# Altium PCB LimeSDR-X3_1v1.PcbDoc (part 5 of 25) (continued)
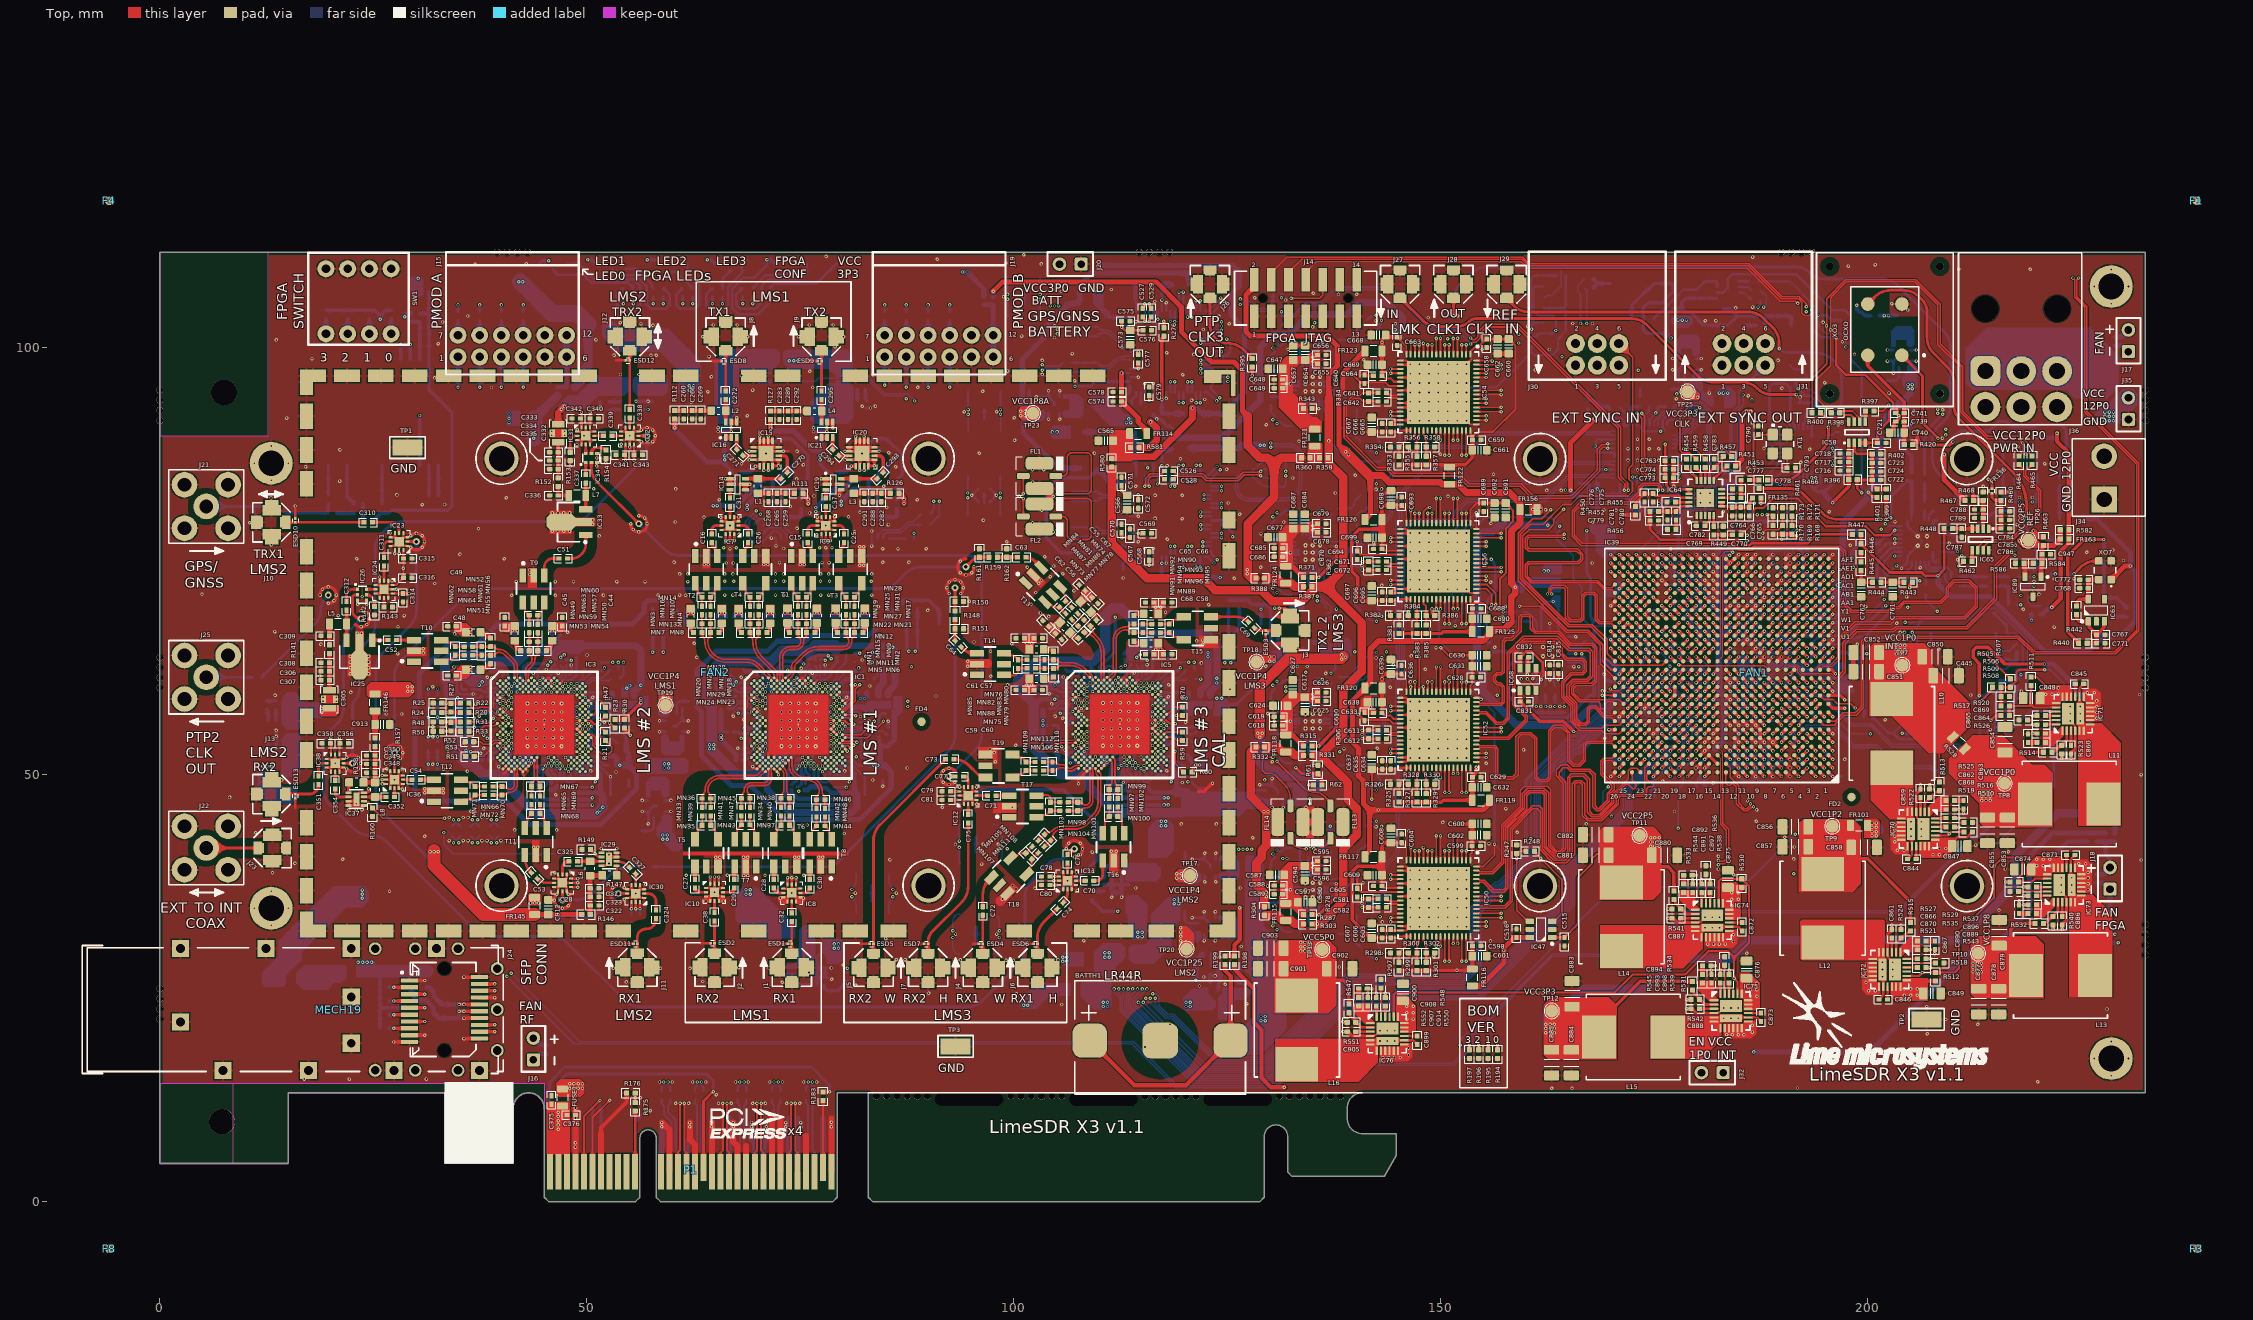
[diagram p0: Top view]
## Part data (continued)
IC80 IC81 IC82 IC83 IC84 IC85 IC86 IC87 IC88: library part AP7361, Current - Limit (Min)=1.1A, Current - Output=1A, Manufacturer="Diodes Incorporated", Manufacturer Part Number 1=AP7361-FGE-7, Operating Temperature="-40°C ~ 85°C", Package / Case="8-UDFN Exposed Pad", Supplier Device Package=U-DFN3030-8, Supplier Part Number 1=AP7361-FGE-7DICT-ND, Voltage - Dropout (Typical)="0.5V @ 1A", Voltage - Input="2.2 V ~ 6 V", Voltage - Output="0.8 V ~ 5.5 V", Category="Integrated Circuits (ICs)", Mounting Type="Surface Mount", Number of Regulators=1, Packaging="Cut Tape (CT)", Part Description="IC REG LDO ADJ 1A 8DFN", Regulator Topology="Positive Adjustable", RoHS="RoHS Compliant", Supplier 1=Digi-Key
IC89: library part VOLTAGE_REFERENCE_UNIVERSAL, Case/Package=TO-236-3, Cathode Current=1mA, Manufacturer=Diodes, Manufacturer Part Number 1=AS431ANTR-G1, Max Input Voltage=36V, Max Operating Temperature=125°C, Max Output Current=100mA, Min Operating Temperature=-40°C, Min Output Voltage=2.5V, Package Quantity=3000, Supplier Part Number 1=AS431ANTR-G1DICT-ND, Temperature Coefficient=20ppm/°C, Tolerance=0.5%, ComponentLink1Description=https://datasheet.ciiva.com/1177/1643148-1177233.pdf?src-supplier=Avnet, ComponentLink1URL=https://datasheet.ciiva.com/1177/1643148-1177233.pdf?src-supplier=Avnet, ComponentLink2Description=https://datasheet.ciiva.com/30002/as431-30002029.pdf?src-supplier=Avnet, ComponentLink2URL=https://datasheet.ciiva.com/30002/as431-30002029.pdf?src-supplier=Avnet, ComponentLink3Description=https://datasheet.ciiva.com/29572/as431-29572149.pdf?src-supplier=Digi-Key, ComponentLink3URL=https://datasheet.ciiva.com/29572/as431-29572149.pdf?src-supplier=Digi-Key, ComponentLink4Description=https://datasheet.ciiva.com/29572/as431-29572150.pdf?src-supplier=Digi-Key, ComponentLink4URL=https://datasheet.ciiva.com/29572/as431-29572150.pdf?src-supplier=Digi-Key, Max Output Voltage=36V, Mount="Surface Mount", Number of Pins=3, Output Current=100mA, Output Type=Adjustable, Output Voltage=36V, Packaging="Tape and Reel", Part Description="Shunt Voltage Reference IC Adjustable 2.5V 36 VV ±0.5% 100 mA SOT-23-3", Pricing 1="1=0,36000, 10=0,27000, 25=0,23600, 100=0,15270, 250=0,12640, 500=0,10112, 1000=0,07753 (USD)", Radiation Hardening=No, Reference Type=Shunt, RoHS=Yes, RoHS Compliant=Yes, Stock 1=792556, Supplier 1=Digi-Key
J1 J2 J3 J4 J5 J6 J7 J8 J9 J10 J11 J12 J13: library part RF_IF_connector, "CONN UMC RCPT STR 50 OHM SMD", Case/Package=908, Dielectric Material=Polymer, Frequency=6GHz, Housing Color=Black, Insulation Resistance=500MR, Manufacturer="Amphenol RF", Manufacturer Part Number 1=908-22101T, Max Operating Temperature=155°C, Min Operating Temperature=-40°C, Operating Frequency="0 to 6 GHz", Package Quantity=1, Supplier Part Number 1=ARF1725CT-ND, Body Material=Copper,Brass, Body Plating=Gold, Center Contact Plating=Gold, ComponentLink1Description=https://datasheet.ciiva.com/5177/c908-22101t-37976-5177328.pdf?src-supplier=Mouser, ComponentLink1URL=https://datasheet.ciiva.com/5177/c908-22101t-37976-5177328.pdf?src-supplier=Mouser, ComponentLink2Description=https://datasheet.ciiva.com/643/c908-22101t-643558.pdf?src-supplier=Digi-Key, ComponentLink2URL=https://datasheet.ciiva.com/643/c908-22101t-643558.pdf?src-supplier=Digi-Key, ComponentLink3Description=https://datasheet.ciiva.com/7662/1636995-7662651.pdf?src-supplier=Element14, ComponentLink3URL=https://datasheet.ciiva.com/7662/1636995-7662651.pdf?src-supplier=Element14, ComponentLink4Description=https://datasheet.ciiva.com/5689/c908-22101t-5689787.pdf?src-supplier=Farnell, ComponentLink4URL=https://datasheet.ciiva.com/5689/c908-22101t-5689787.pdf?src-supplier=Farnell, ComponentLink5Description=https://datasheet.ciiva.com/7996/691284-7996807.pdf?src-supplier=Element14, ComponentLink5URL=https://datasheet.ciiva.com/7996/691284-7996807.pdf?src-supplier=Element14, ComponentLink6Description=https://datasheet.ciiva.com/643/c908-22101t-643559.pdf?src-supplier=Digi-Key, ComponentLink6URL=https://datasheet.ciiva.com/643/c908-22101t-643559.pdf?src-supplier=Digi-Key, ComponentLink7Description=https://datasheet.ciiva.com/643/c908-22101t-643560.pdf?src-supplier=Digi-Key, ComponentLink7URL=https://datasheet.ciiva.com/643/c908-22101t-643560.pdf?src-supplier=Digi-Key, Connector Type=MMCX,Coaxial, Contact Material=Copper, Contact Plating=Gold, Depth=4.32mm, Fastening Type=SNAP-ON, Gender=Female, Impedance=50R, Insulation Material=Polymer, Length=4.32mm, Mating Cycles=500, Max Frequency=6GHz, Mount="Surface Mount,PCB", Orientation=Straight, Packaging="Tape and Reel", Part Description="MMCX Connector Jack, Female Socket 50Ohm Surface Mount Solder", Plating=Gold, Polarity=Standard, Pricing 1="1=6,18000, 10=5,60700, 25=5,31040, 50=5,18700, 100=4,94000, 250=4,32248, 500=4,19900 (USD)", Radiation Hardening=No, REACH SVHC=Unknown, RoHS=Yes, Series=MicroMate™, Stock 1=6928, Supplier 1=Digi-Key, Termination=Solder
J14: library part MOLEX_CONNECTOR_0878321420, "Male Header, Pitch 2 mm, 2 x 7 Position, Height 7.6 mm, -55 to 105 degC, RoHS", Color=Black, Current Rating=2A, Flammability Rating="UL94 V-0", Insulation Resistance=1GR, Manufacturer=Molex, Manufacturer Part Number 1=87832-1420, Max Operating Temperature=105°C, Min Operating Temperature=-55°C, Package Quantity=3200, Supplier Part Number 1=WM18641-ND, Voltage Rating=125V, ComponentLink1Description=https://datasheet.ciiva.com/5151/0878321420-pcb-headers-176595-5151942.pdf?src-supplier=Mouser, ComponentLink1URL=https://datasheet.ciiva.com/5151/0878321420-pcb-headers-176595-5151942.pdf?src-supplier=Mouser, ComponentLink2Description=https://datasheet.ciiva.com/30118/0878321420-pcb-headers-30118102.pdf?src-supplier=Onlinecomponents.com, ComponentLink2URL=https://datasheet.ciiva.com/30118/0878321420-pcb-headers-30118102.pdf?src-supplier=Onlinecomponents.com, ComponentLink3Description=https://datasheet.ciiva.com/11746/0900766b80d68d6a-11746394.pdf?src-supplier=RSComponents, ComponentLink3URL=https://datasheet.ciiva.com/11746/0900766b80d68d6a-11746394.pdf?src-supplier=RSComponents, ComponentLink4Description=https://datasheet.ciiva.com/7814/1625645-7814923.pdf?src-supplier=Element14, ComponentLink4URL=https://datasheet.ciiva.com/7814/1625645-7814923.pdf?src-supplier=Element14, ComponentLink5Description=https://datasheet.ciiva.com/27055/1934622-27055085.pdf?src-supplier=Jameco, ComponentLink5URL=https://datasheet.ciiva.com/27055/1934622-27055085.pdf?src-supplier=Jameco, ComponentLink6Description=https://datasheet.ciiva.com/1103/1739253-1103569.pdf?src-supplier=Element14, ComponentLink6URL=https://datasheet.ciiva.com/1103/1739253-1103569.pdf?src-supplier=Element14, ComponentLink7Description=https://datasheet.ciiva.com/18453/70090647-18453733.pdf?src-supplier=Allied+Electronics, ComponentLink7URL=https://datasheet.ciiva.com/18453/70090647-18453733.pdf?src-supplier=Allied+Electronics, ComponentLink8Description=https://datasheet.ciiva.com/6168/1597333-6168907.pdf?src-supplier=Farnell, ComponentLink8URL=https://datasheet.ciiva.com/6168/1597333-6168907.pdf?src-supplier=Farnell, Contact Material=Brass, Contact Plating=Gold, Gender=Male, Glow Wire Compliant=Non-compliant, Housing Color=Black, Housing Material=Thermoplastic, Lead Free="Lead Free", Mount="Surface Mount", Number of Circuits=14, Number of Contacts=14, Number of Positions=14, Number of Rows=2, Orientation=Vertical, Packaging=Rail/Tube, Part Description="Connector Header Surface Mount 14 position 0.079\" (2.00mm)", Pitch=2mm, Pricing 1="1 = 1,83000, 10 = 1,66000, 100 = 1,42280, 500 = 1,18562, 3200 = 0,94850, 6400 = 0,90108 (USD)", Radiation Hardening=No, REACH SVHC="No SVHC", RoHS=Yes, Shrouded="Yes (With)", Stock 1=62479, Supplier 1=Digi-Key, Termination=SMD/SMT, Voltage Rating (DC)=125V
J15 J19: library part PMOD_connector, "Header, 4-Pin, Dual row", Color=Black, Manufacturer="Sullins Connector Solutions", Manufacturer Part Number 1=PPPC062LJBN-RC, Supplier Part Number 1=S5559-ND, Category="Connectors, Interconnects", Connector Type=Header, Contact Finish=Gold, Contact Finish Thickness=Flash, Contact Type="Female Socket", Fastening Type=-, Features=-, Mounting Type="Through Hole, Right Angle", Number of Positions=12, Number of Positions Loaded=All, Number of Rows=2, Packaging=Bulk, Part Description="12 Position Header Connector 0.100\" (2.54mm) Through Hole, Right Angle Gold", Pitch="0.100\" (2.54mm)", RoHS="RoHS Compliant", Row Spacing="0.100\" (2.54mm)", Supplier 1=Digi-Key, Termination=Solder
J16 J17 J18 J32 J35: library part Jumper, Color=Black, Current Rating=3A, Manufacturer="Wurth Electronics", Manufacturer Part Number 1=61300211121, Max Operating Temperature=125°C, Min Operating Temperature=-40°C, Supplier Part Number 1=732-5315-ND, Voltage Rating=250V, ComponentLink1Description=https://cdn.harwin.com/pdfs/60page148.pdf, ComponentLink1URL=https://cdn.harwin.com/pdfs/60page148.pdf, ComponentLink2Description=https://www.verical.com/server-webapp/html/getDatasheet?partID=384167, ComponentLink2URL=https://www.verical.com/server-webapp/html/getDatasheet?partID=384167, ComponentLink3Description=http://www.harwin.com/include/downloads/drawings/M20-996.PDF, ComponentLink3URL=http://www.harwin.com/include/downloads/drawings/M20-996.PDF, ComponentLink4Description=https://datasheet.ciiva.com/13619/6130xx11121-48870-13619345.pdf?src-supplier=Mouser, ComponentLink4URL=https://datasheet.ciiva.com/13619/6130xx11121-48870-13619345.pdf?src-supplier=Mouser, Connector Type="Male Pin", Contact Gender=Male, Contact Material="Copper Alloy,Copper", Contact Mating Length=0.236inch, Contact Plating=Gold, Gender=Male, Housing Material=PBT, Lead Free="Lead Free", Mount="Through Hole", Number of Contacts=2, Number of Positions=2, Number of Rows=1, Packaging=Bulk, Part Description="Connector Header Through Hole 2 position 0.100\" (2.54mm)", Pitch=0.1inch, Pricing 1="1=0,13000, 10=0,10600, 25=0,08800, 50=0,07400, 100=0,06700, 1000=0,06100 (USD)", REACH SVHC=Unknown, RoHS=Yes, Stock 1=145436, Supplier 1=Digi-Key, Termination="Through Hole"
  J32: Assembly Info=NF
J20: library part Jumper, Color=Black, Manufacturer=3M, Manufacturer Part Number 1=961102-6404-AR, Supplier Part Number 1=3M9447-ND, Assembly Info=NF, Category="Connectors, Interconnects", Connector Type="Header, Unshrouded", Contact Finish=Gold, Contact Type="Male Pin", Mounting Type="Through Hole", Part Description="2 Positions Header, Unshrouded Connector 0.100\" (2.54mm) Through Hole Gold", Supplier 1=Digi-Key
J21 J22 J25: library part RF_IF_connector, "CONN SMA JACK STR 50OHM EDGE MNT", Manufacturer=Linx, Manufacturer Part Number 1=CONSMA002-L-G, Supplier Part Number 1=CONSMA002-L-G-ND, Part Description="SMA Connector Receptacle, Female Socket 50Ohm Panel Mount, Through Hole, Right Angle Solder", Pricing 1="1=4.08, 25=3.67, 100=3.32, 250=3.25, 500=3, 1000=2.80001, 2000=2.5875 (USD)", Stock 1=815, Supplier 1=Digi-Key
J23 J26 J27 J28 J29: library part RF_IF_connector, "CONN UMC RCPT STR 50 OHM SMD", Dielectric Material="Liquid Crystal Polymer (LCP)", Frequency - Max=6GHz, Housing Color=Silver, Manufacturer="Molex, LLC", Manufacturer Part Number 1=0734120110, Operating Temperature="-40°C ~ 90°C", Supplier Part Number 1=WM5587CT-ND, Voltage Rating=60V, Body Finish=Nickel, Body Material="Phosphor Bronze", Cable Group=-, Category="Connectors, Interconnects", Center Contact Material=Brass, Center Contact Plating=Gold, Connector Style="Ultra Miniature Coaxial", Connector Type="Jack, Male Pin", Contact Termination=Solder, Fastening Type=Snap-On, Features=-, Impedance="50 Ohm", Ingress Protection=-, Mounting Type="Surface Mount", Packaging="Cut Tape (CT)", Part Description="CONN UMC RCPT STR 50 OHM SMD", RoHS="RoHS Compliant", Shield Termination=Solder, Supplier 1=Digi-Key
J24: library part SFPx1_Connector, Color=Black, Flammability Rating="UL94 V-0", Manufacturer="TE Connectivity", Max Operating Temperature=85°C, Max Voltage Rating (AC)=120V, Min Operating Temperature=-55°C, Package Quantity=480, Supplier Part Number 1=A97430CT-ND, ComponentLink1Description=https://datasheet.ciiva.com/689/eng-cd-1367073-k-689473.pdf?src-supplier=Digi-Key, ComponentLink1URL=https://datasheet.ciiva.com/689/eng-cd-1367073-k-689473.pdf?src-supplier=Digi-Key, ComponentLink2Description=https://datasheet.ciiva.com/26824/getdatasheetpartid-111150-26824248.pdf?src-supplier=Verical, ComponentLink2URL=https://datasheet.ciiva.com/26824/getdatasheetpartid-111150-26824248.pdf?src-supplier=Verical, ComponentLink3Description=https://datasheet.ciiva.com/16314/eng-cs-1773408-1-pluggable-ixo-solutions-sfp-0409-16314846.pdf?src-supplier=Future+Electronics, ComponentLink3URL=https://datasheet.ciiva.com/16314/eng-cs-1773408-1-pluggable-ixo-solutions-sfp-0409-16314846.pdf?src-supplier=Future+Electronics, ComponentLink4Description=https://datasheet.ciiva.com/14159/1367073-eng-tds-14159446.pdf?src-supplier=Distrelec, ComponentLink4URL=https://datasheet.ciiva.com/14159/1367073-eng-tds-14159446.pdf?src-supplier=Distrelec, ComponentLink5Description=https://datasheet.ciiva.com/11757/0900766b80db5732-11757313.pdf?src-supplier=RSComponents, ComponentLink5URL=https://datasheet.ciiva.com/11757/0900766b80db5732-11757313.pdf?src-supplier=RSComponents, ComponentLink6Description=https://datasheet.ciiva.com/1099/1509426-1099442.pdf?src-supplier=Newark, ComponentLink6URL=https://datasheet.ciiva.com/1099/1509426-1099442.pdf?src-supplier=Newark, ComponentLink7Description=https://datasheet.ciiva.com/689/eng-cd-1367073-k-689475.pdf?src-supplier=Digi-Key, ComponentLink7URL=https://datasheet.ciiva.com/689/eng-cd-1367073-k-689475.pdf?src-supplier=Digi-Key, ComponentLink8Description=https://datasheet.ciiva.com/1098/1650946-1098067.pdf?src-supplier=Element14, ComponentLink8URL=https://datasheet.ciiva.com/1098/1650946-1098067.pdf?src-supplier=Element14, ComponentLink9Description=https://datasheet.ciiva.com/3138/eng-cs-1773408-1-pluggable-ixo-solutions-sfp-0409-3138613.pdf?src-supplier=Avnet, ComponentLink9URL=https://datasheet.ciiva.com/3138/eng-cs-1773408-1-pluggable-ixo-solutions-sfp-0409-3138613.pdf?src-supplier=Avnet, ComponentLink10Description=https://datasheet.ciiva.com/3138/eng-cs-1773408-1-pluggable-ixo-solutions-sfp-0409-3138614.pdf?src-supplier=Avnet, ComponentLink10URL=https://datasheet.ciiva.com/3138/eng-cs-1773408-1-pluggable-ixo-solutions-sfp-0409-3138614.pdf?src-supplier=Avnet, ComponentLink11Description=https://datasheet.ciiva.com/689/eng-cd-1367073-k-689474.pdf?src-supplier=Digi-Key, ComponentLink11URL=https://datasheet.ciiva.com/689/eng-cd-1367073-k-689474.pdf?src-supplier=Digi-Key, ComponentLink12Description=https://datasheet.ciiva.com/46391/1794467-46391366.pdf?src-supplier=Element14, ComponentLink12URL=https://datasheet.ciiva.com/46391/1794467-46391366.pdf?src-supplier=Element14, ComponentLink13Description=https://datasheet.ciiva.com/28795/1759364-28795367.pdf?src-supplier=Element14, ComponentLink13URL=https://datasheet.ciiva.com/28795/1759364-28795367.pdf?src-supplier=Element14, ComponentLink14Description=https://datasheet.ciiva.com/30155/eng-cs-1773408-1-pluggable-ixo-solutions-sfp-0409-30155864.pdf?src-supplier=Onlinecomponents.com, ComponentLink14URL=https://datasheet.ciiva.com/30155/eng-cs-1773408-1-pluggable-ixo-solutions-sfp-0409-30155864.pdf?src-supplier=Onlinecomponents.com, ComponentLink15Description=https://datasheet.ciiva.com/22652/1650946-22652219.pdf?src-supplier=Farnell, ComponentLink15URL=https://datasheet.ciiva.com/22652/1650946-22652219.pdf?src-supplier=Farnell, ComponentLink16Description=https://datasheet.ciiva.com/25908/eng-cs-1773408-1-pluggable-ixo-solutions-sfp-0409-25908701.pdf?src-supplier=Avnet+Europe, ComponentLink16URL=https://datasheet.ciiva.com/25908/eng-cs-1773408-1-pluggable-ixo-solutions-sfp-0409-25908701.pdf?src-supplier=Avnet+Europe, ComponentLink17Description=https://datasheet.ciiva.com/16469/eng-cs-1773408-1-pluggable-ixo-solutions-sfp-0409-16469439.pdf?src-supplier=Avnet+Asia, ComponentLink17URL=https://datasheet.ciiva.com/16469/eng-cs-1773408-1-pluggable-ixo-solutions-sfp-0409-16469439.pdf?src-supplier=Avnet+Asia, Connector Type=Receptacle,SFP, Contact Material=Bronze,Gold, Contact Plating=Gold, Data Rate=4Gbps, Depth=7.4mm, ELV=Compliant, Gender=Female, Housing Color=Black, Housing Material=Polymer, Lead Free="Lead Free", Length=11.2mm, Manufacturer Part Number 1=1367073-1, Material="Polymer,Liquid Crystal Polymer", Mount="Surface Mount", Number of Contacts=20, Number of Ports=1, Number of Positions=20, Number of Positions Loaded=20, Orientation="Right Angle", Packaging="Tape and Reel", Part Description="20 Position SFP Receptacle Connector Solder Surface Mount, Right Angle", Pitch=0.8mm, Plating Thickness=0.38um, Pricing 1="1=1,77000, 10=1,60800, 25=1,51000, 50=1,44440, 100=1,37870 (USD)", Radiation Hardening=No, REACH SVHC=Unknown, RoHS=Yes, Stock 1=16529, Supplier 1=Digi-Key, Termination=SMD/SMT
J30 J31: "Header, 2-Pin, Dual row", Manufacturer="Adam Equipment", Manufacturer Part Number 1=BHR-06-HUA, Supplier Part Number 1=2057-BHR-06-HUA-ND, Part Description="Connector Header Through Hole, Right Angle 6 position 0.100\" (2.54mm)", Pricing 1="1=0.3, 10=0.283, 100=0.198, 500=0.16968, 1000=0.1414, 5000=0.1212, 10000=0.11312 (USD)", Stock 1=1572, Supplier 1=Digi-Key
J34: library part Jumper, Color=White, Manufacturer="TE Connectivity AMP Connectors", Manufacturer Part Number 1=1744037-2, Supplier Part Number 1=A112698-ND, Category="Connectors, Interconnects", Connector Type="Header, Shrouded, 1 Wall", Contact Finish=Tin, Contact Type="Male Pin", Mounting Type="Through Hole", Part Description="Connector Header Through Hole 2 position 0.200\" (5.08mm)", Supplier 1=Digi-Key
J36: library part PCIe_PWR_HEADER_6PIN, Color=Black, Manufacturer="Molex Connector Corporation", Manufacturer Part Number 1=0455580003, Supplier Part Number 1=WM10869-ND, Category="Connectors, Interconnects", Connector Type="Header, Shrouded", Contact Finish=Tin, Contact Finish Thickness="100µin (2.54µm)", Contact Mating Length=-, Contact Type="Male Pin", Fastening Type="Locking Ramp", Features="Board Lock", Mounting Type="Through Hole, Right Angle", Number of Positions=6, Number of Positions Loaded=All, Number of Rows=2, Packaging=Tray, Part Description="6 Positions Header, Shrouded Connector 0.165\" (4.20mm) Through Hole, Right Angle Tin", Pitch="0.165\" (4.20mm)", RoHS="RoHS Compliant", Row Spacing="0.165\" (4.20mm)", Supplier 1=Digi-Key, Termination=Solder
L1 L2 L3 L4: library part Inductor, Case/Package=0603, Case Code (Metric)=1608, Current=400mA, Current Rating=500mA, DC Resistance (DCR)=170mR, Inductance=22nH, Inductance Tolerance=2%, Manufacturer=Murata, Manufacturer Part Number 1=LQW18AN22NG00D, Max Operating Temperature=125°C, Min Operating Temperature=-55°C, Package Quantity=1, Self Resonant Frequency=4.6GHz, Supplier Part Number 1=490-6874-1-ND, Test Frequency=100MHz, Case Code (Imperial)=0603, ComponentLink1Description=http://productfinder.pulseeng.com/products/datasheets/WC701.pdf, ComponentLink1URL=http://productfinder.pulseeng.com/products/datasheets/WC701.pdf, ComponentLink2Description=http://search.murata.co.jp/Ceramy/image/img/P02/JELF243A-9139.pdf?src-supplier=Digi-Key, ComponentLink2URL=http://search.murata.co.jp/Ceramy/image/img/P02/JELF243A-9139.pdf?src-supplier=Digi-Key, ComponentLink3Description=https://datasheet.ciiva.com/11799/0900766b80f10808-11799127.pdf?src-supplier=Rs, ComponentLink3URL=https://datasheet.ciiva.com/11799/0900766b80f10808-11799127.pdf?src-supplier=Rs, ComponentLink4Description=https://datasheet.ciiva.com/8002/66026-8002492.pdf?src-supplier=Element14, ComponentLink4URL=https://datasheet.ciiva.com/8002/66026-8002492.pdf?src-supplier=Element14, ComponentLink5Description=https://datasheet.ciiva.com/8002/66026-8002489.pdf?src-supplier=Element14, ComponentLink5URL=https://datasheet.ciiva.com/8002/66026-8002489.pdf?src-supplier=Element14, ComponentLink6Description=https://datasheet.ciiva.com/29698/l0075s0083lqg15hn-29698389.pdf?src-supplier=Digi-Key, ComponentLink6URL=https://datasheet.ciiva.com/29698/l0075s0083lqg15hn-29698389.pdf?src-supplier=Digi-Key, ComponentLink7Description=https://datasheet.ciiva.com/1063/l0075s0083lqg15hn-1063851.pdf?src-supplier=Digi-Key, ComponentLink7URL=https://datasheet.ciiva.com/1063/l0075s0083lqg15hn-1063851.pdf?src-supplier=Digi-Key, ComponentLink8Description=https://datasheet.ciiva.com/29698/l0075s0083lqg15hn-29698390.pdf?src-supplier=Digi-Key, ComponentLink8URL=https://datasheet.ciiva.com/29698/l0075s0083lqg15hn-29698390.pdf?src-supplier=Digi-Key, ComponentLink9Description=https://datasheet.ciiva.com/8509/l0075s0083lqg15hn-8509863.pdf?src-supplier=Avnet, ComponentLink9URL=https://datasheet.ciiva.com/8509/l0075s0083lqg15hn-8509863.pdf?src-supplier=Avnet, ComponentLink10Description=https://datasheet.ciiva.com/18089/getdatasheetpartid-180328-18089975.pdf?src-supplier=Verical, ComponentLink10URL=https://datasheet.ciiva.com/18089/getdatasheetpartid-180328-18089975.pdf?src-supplier=Verical, ComponentLink11Description=https://datasheet.ciiva.com/11801/0900766b80f10809-11801427.pdf?src-supplier=Rs, ComponentLink11URL=https://datasheet.ciiva.com/11801/0900766b80f10809-11801427.pdf?src-supplier=Rs, ComponentLink12Description=https://datasheet.ciiva.com/1038/l0075s0083lqg15hs-1038107.pdf?src-supplier=Digi-Key, ComponentLink12URL=https://datasheet.ciiva.com/1038/l0075s0083lqg15hs-1038107.pdf?src-supplier=Digi-Key, ComponentLink13Description=https://datasheet.ciiva.com/1038/l0075s0083lqg15hs-1038106.pdf?src-supplier=Digi-Key, ComponentLink13URL=https://datasheet.ciiva.com/1038/l0075s0083lqg15hs-1038106.pdf?src-supplier=Digi-Key, ComponentLink14Description=https://datasheet.ciiva.com/1038/l0075s0083lqg15hs-1038108.pdf?src-supplier=Digi-Key, ComponentLink14URL=https://datasheet.ciiva.com/1038/l0075s0083lqg15hs-1038108.pdf?src-supplier=Digi-Key, ComponentLink15Description=https://datasheet.ciiva.com/3082/l0075s0083lqg15hs-3082178.pdf?src-supplier=Avnet, ComponentLink15URL=https://datasheet.ciiva.com/3082/l0075s0083lqg15hs-3082178.pdf?src-supplier=Avnet, ComponentLink16Description=https://datasheet.ciiva.com/16444/l0075s0083lqg15hs-16444393.pdf?src-supplier=Future+Electronics, ComponentLink16URL=https://datasheet.ciiva.com/16444/l0075s0083lqg15hs-16444393.pdf?src-supplier=Future+Electronics, ComponentLink17Description=https://datasheet.ciiva.com/18088/getdatasheetpartid-55811-18088843.pdf?src-supplier=Verical, ComponentLink17URL=https://datasheet.ciiva.com/18088/getdatasheetpartid-55811-18088843.pdf?src-supplier=Verical, ComponentLink18Description=https://datasheet.ciiva.com/14124/qhlqw18a-data-e-14124619.pdf?src-supplier=Distrelec, ComponentLink18URL=https://datasheet.ciiva.com/14124/qhlqw18a-data-e-14124619.pdf?src-supplier=Distrelec, ComponentLink19Description=https://datasheet.ciiva.com/6705/l0075s0080lqw18a-00-6705627.pdf?src-supplier=Digi-Key, ComponentLink19URL=https://datasheet.ciiva.com/6705/l0075s0080lqw18a-00-6705627.pdf?src-supplier=Digi-Key, ComponentLink20Description=https://datasheet.ciiva.com/6705/l0075s0080lqw18a-00-6705626.pdf?src-supplier=Digi-Key, ComponentLink20URL=https://datasheet.ciiva.com/6705/l0075s0080lqw18a-00-6705626.pdf?src-supplier=Digi-Key, ComponentLink21Description=https://datasheet.ciiva.com/6705/l0075s0080lqw18a-00-6705631.pdf?src-supplier=Digi-Key, ComponentLink21URL=https://datasheet.ciiva.com/6705/l0075s0080lqw18a-00-6705631.pdf?src-supplier=Digi-Key, ComponentLink22Description=https://datasheet.ciiva.com/4977/product-4977173.pdf?src-supplier=Mouser, ComponentLink22URL=https://datasheet.ciiva.com/4977/product-4977173.pdf?src-supplier=Mouser, ComponentLink23Description=https://datasheet.ciiva.com/46391/1487239-46391853.pdf?src-supplier=Element14, ComponentLink23URL=https://datasheet.ciiva.com/46391/1487239-46391853.pdf?src-supplier=Element14, ComponentLink24Description=https://datasheet.ciiva.com/8507/l0075s0080lqw18a-00-8507496.pdf?src-supplier=Avnet, ComponentLink24URL=https://datasheet.ciiva.com/8507/l0075s0080lqw18a-00-8507496.pdf?src-supplier=Avnet, Core Material=Non-Magnetic, DC Current=500mA, Depth=1mm, Height=0.8mm, Height - Seated (Max)=0.039inch, Lead Free="Lead Free", Length=1.6mm, Max DC Current=500mA, Military Standard=Not, Mount="Surface Mount", Number of Pins=2, Packaging="Tape and Reel", Part Description="22 nH Unshielded Wirewound Inductor 500 mA 170mOhm Max 0603 (1608 Metric)", Pricing 1="1=0,17, 10=0,155, 25=0,1372, 50=0,1168, 100=0,103, 250=0,09444, 500=0,08584, 1000=0,07211 (USD)", Q Factor=40, Rated Current-Max=500mA, Reach SVHC Compliant=No, RoHS=Yes, RoHS Compliant=Yes, Series=LQW18A_00, Series Resistance=170mR, Shielding=Unshielded, Stock 1=96696, Supplier 1=Digi-Key, Termination=SMD/SMT, Tolerance=2%, Weight=0.000106oz, Width=0.8mm
L5 L7: library part Inductor_0603, Case/Package=0805, Case Code (Metric)=2012, Current Rating=600mA, DC Resistance (DCR)=80mR, Inductance=15nH, Manufacturer=Bourns, Manufacturer Part Number 1=CW201212-15NJ, Max Operating Temperature=125°C, Min Operating Temperature=-40°C, Package Quantity=2000, Self Resonant Frequency=3.6GHz, Supplier Part Number 1=CW201212-15NJDKR-ND, Test Frequency=250MHz, Tolerance=5%, Case Code (Imperial)=0805, ComponentLink1Description=http://www.bourns.com/data/global/PDFs/CW201212.pdf?src-supplier=Avnet+Europe, ComponentLink1URL=http://www.bourns.com/data/global/PDFs/CW201212.pdf?src-supplier=Avnet+Europe, ComponentLink2Description=http://www.bourns.com/data/global/pdfs/CW201212.pdf?src-supplier=Digi-Key, ComponentLink2URL=http://www.bourns.com/data/global/pdfs/CW201212.pdf?src-supplier=Digi-Key, ComponentLink3Description=http://www.bourns.com/data/global/PDFs/CW201212.pdf?src-supplier=Avnet, ComponentLink3URL=http://www.bourns.com/data/global/PDFs/CW201212.pdf?src-supplier=Avnet, ComponentLink4Description=http://www.onlinecomponents.com/productFiles/mf-BO/cw201212.pdf?src-supplier=Onlinecomponents.com, ComponentLink4URL=http://www.onlinecomponents.com/productFiles/mf-BO/cw201212.pdf?src-supplier=Onlinecomponents.com, Composition=Wirewound,Ceramic, Core Material=Ceramic, DC Current=600mA, Depth=1.7mm, Height=0.051inch, Height - Seated (Max)=0.059inch, Length=0.083inch, Max DC Current=600mA, Military Standard=Not, Mount="Surface Mount", Packaging="Tape and Reel", Part Description="15nH Unshielded Wirewound Inductor 600mA 80mOhm 0805 (2012 Metric)", Pricing 1="1=0.37, 10=0.327, 100=0.2245, 500=0.19188, 1000=0.14697 (USD)", Q Factor=60, Radiation Hardening=No, Shielding=Unshielded, Stock 1=2733, Supplier 1=Digi-Key, Termination=SMD/SMT, Weight=0.000194oz, Width=1.5mm
L6 L8: library part Inductor, DC Resistance (DCR)="170 mOhm Max", Manufacturer="Pulse Electronics Network", Manufacturer Part Number 1=PE-0603CD180KTT, Operating Temperature="-40°C ~ 125°C", Package / Case="0603 (1608 Metric)", Q @ Freq="35 @ 180MHz", Ratings=-, Supplier Part Number 1=1840-1105-1-ND, Tolerance=±10%, Category="Inductors, Coils, Chokes", ComponentLink1Description=http://productfinder.pulseeng.com/products/datasheets/WC701.pdf, ComponentLink1URL=http://productfinder.pulseeng.com/products/datasheets/WC701.pdf, Height - Seated (Max)="0.040\" (1.02mm)", Material - Core=Ceramic, Mounting Type="Surface Mount", Packaging="Cut Tape (CT)", Part Description="18nH Unshielded Wirewound Inductor 700mA 170 mOhm Max 0603 (1608 Metric)", Part Status=Active, Pricing 1="1=0.41, 10=0.368, 100=0.253, 500=0.2162, 1000=0.1656 (USD)", RoHS="RoHS Compliant", Shielding=Unshielded, Size / Dimension="0.071\" L x 0.049\" W (1.80mm x 1.24mm)", Stock 1=14000, Supplier 1=Digi-Key, Supplier Device Package="0603 (1608 Metric)", Type=Wirewound
L9: library part Inductor_0603, DC Current Rating=420, DC Resistance Max=0.58, High Frequency Inductor Case="0402 [1005 Metric]", Inductance=47, Inductance Tolerance="± 5%", Inductor Construction=Wirewound, Manufacturer=COILCRAFT, Manufacturer Part Number=0402HP-47NXJLU, Self Resonant Frequency Min=2.4, Supplier Part Number 1=2285856, Inductor Case Style="0402 [1005 Metric]", Manufacturer Part Number 1=0402HP-47NXJLU, Packaging="Cut Tape", Part Description="INDUCTOR, RF, 47NH, 5%, 2.4GHZ, SMD; Product Range:0402HP Series; Inductance:47nH; Inductance Tolerance:± 5%; High Frequency Inductor Case:0402 [1005 Metric]; Self Resonant Frequency Min:2.4GHz; DC Resistance Max:0.58ohm; DC Current Rating:420mA", Product Range=0402, RoHS=Y-EX, Supplier 1=Farnell, SVHC="No SVHC (15-Jun-2015)"
L10 L11 L12: library part Inductor_0603, Current - Saturation=24A, Current Rating=18A, DC Resistance (DCR)="5.78 mOhm Max", Frequency - Self Resonant=42MHz, Frequency - Test=100kHz, Manufacturer="Vishay Dale", Manufacturer Part Number 1=IHLP3232DZER1R0M01, Operating Temperature="-55°C ~ 125°C", Package / Case=Nonstandard, Q @ Freq=-, Supplier Part Number 1=541-1371-6-ND, Tolerance=±20%, Category="Inductors, Coils, Chokes", Height - Seated (Max)="0.158\" (4.00mm)", Inductance=1µH, Material - Core=-, Mounting Type="Surface Mount", Packaging=Digi-Reel®, Part Description="1µH Shielded Molded Inductor 18A 5.78 mOhm Max Nonstandard", RoHS="RoHS Compliant", Shielding=Shielded, Size / Dimension="0.340\" L x 0.322\" W (8.64mm x 8.18mm)", Supplier 1=Digi-Key, Supplier Device Package=-, Type=Molded
L13: library part Inductor_0603, Current - Saturation=27.5A, Current Rating=15A, DC Resistance (DCR)="5.8 mOhm Max", Frequency - Self Resonant=-, Frequency - Test=100kHz, Inductance=1.5µH, Manufacturer="Vishay Dale", Manufacturer Part Number 1=IHLP4040DZER1R5M01, Operating Temperature="-55°C ~ 125°C", Package / Case=Nonstandard, Supplier Part Number 1=541-1301-6-ND, Tolerance=±20%, Category="Inductors, Coils, Chokes", Height - Seated (Max)="0.158\" (4.00mm)", Material - Core=-, Mounting Type="Surface Mount", Packaging=Digi-Reel®, Part Description="FIXED IND 1.5UH 15A 5.8 MOHM SMD", Q @ Freq=-, RoHS="RoHS Compliant", Shielding=Shielded, Size / Dimension="0.430\" L x 0.405\" W (10.92mm x 10.30mm)", Supplier 1=Digi-Key, Supplier Device Package=-, Type=Molded